# Altium PCB PCB_SAMARUC.PcbDoc (part 1 of 2) (continued)
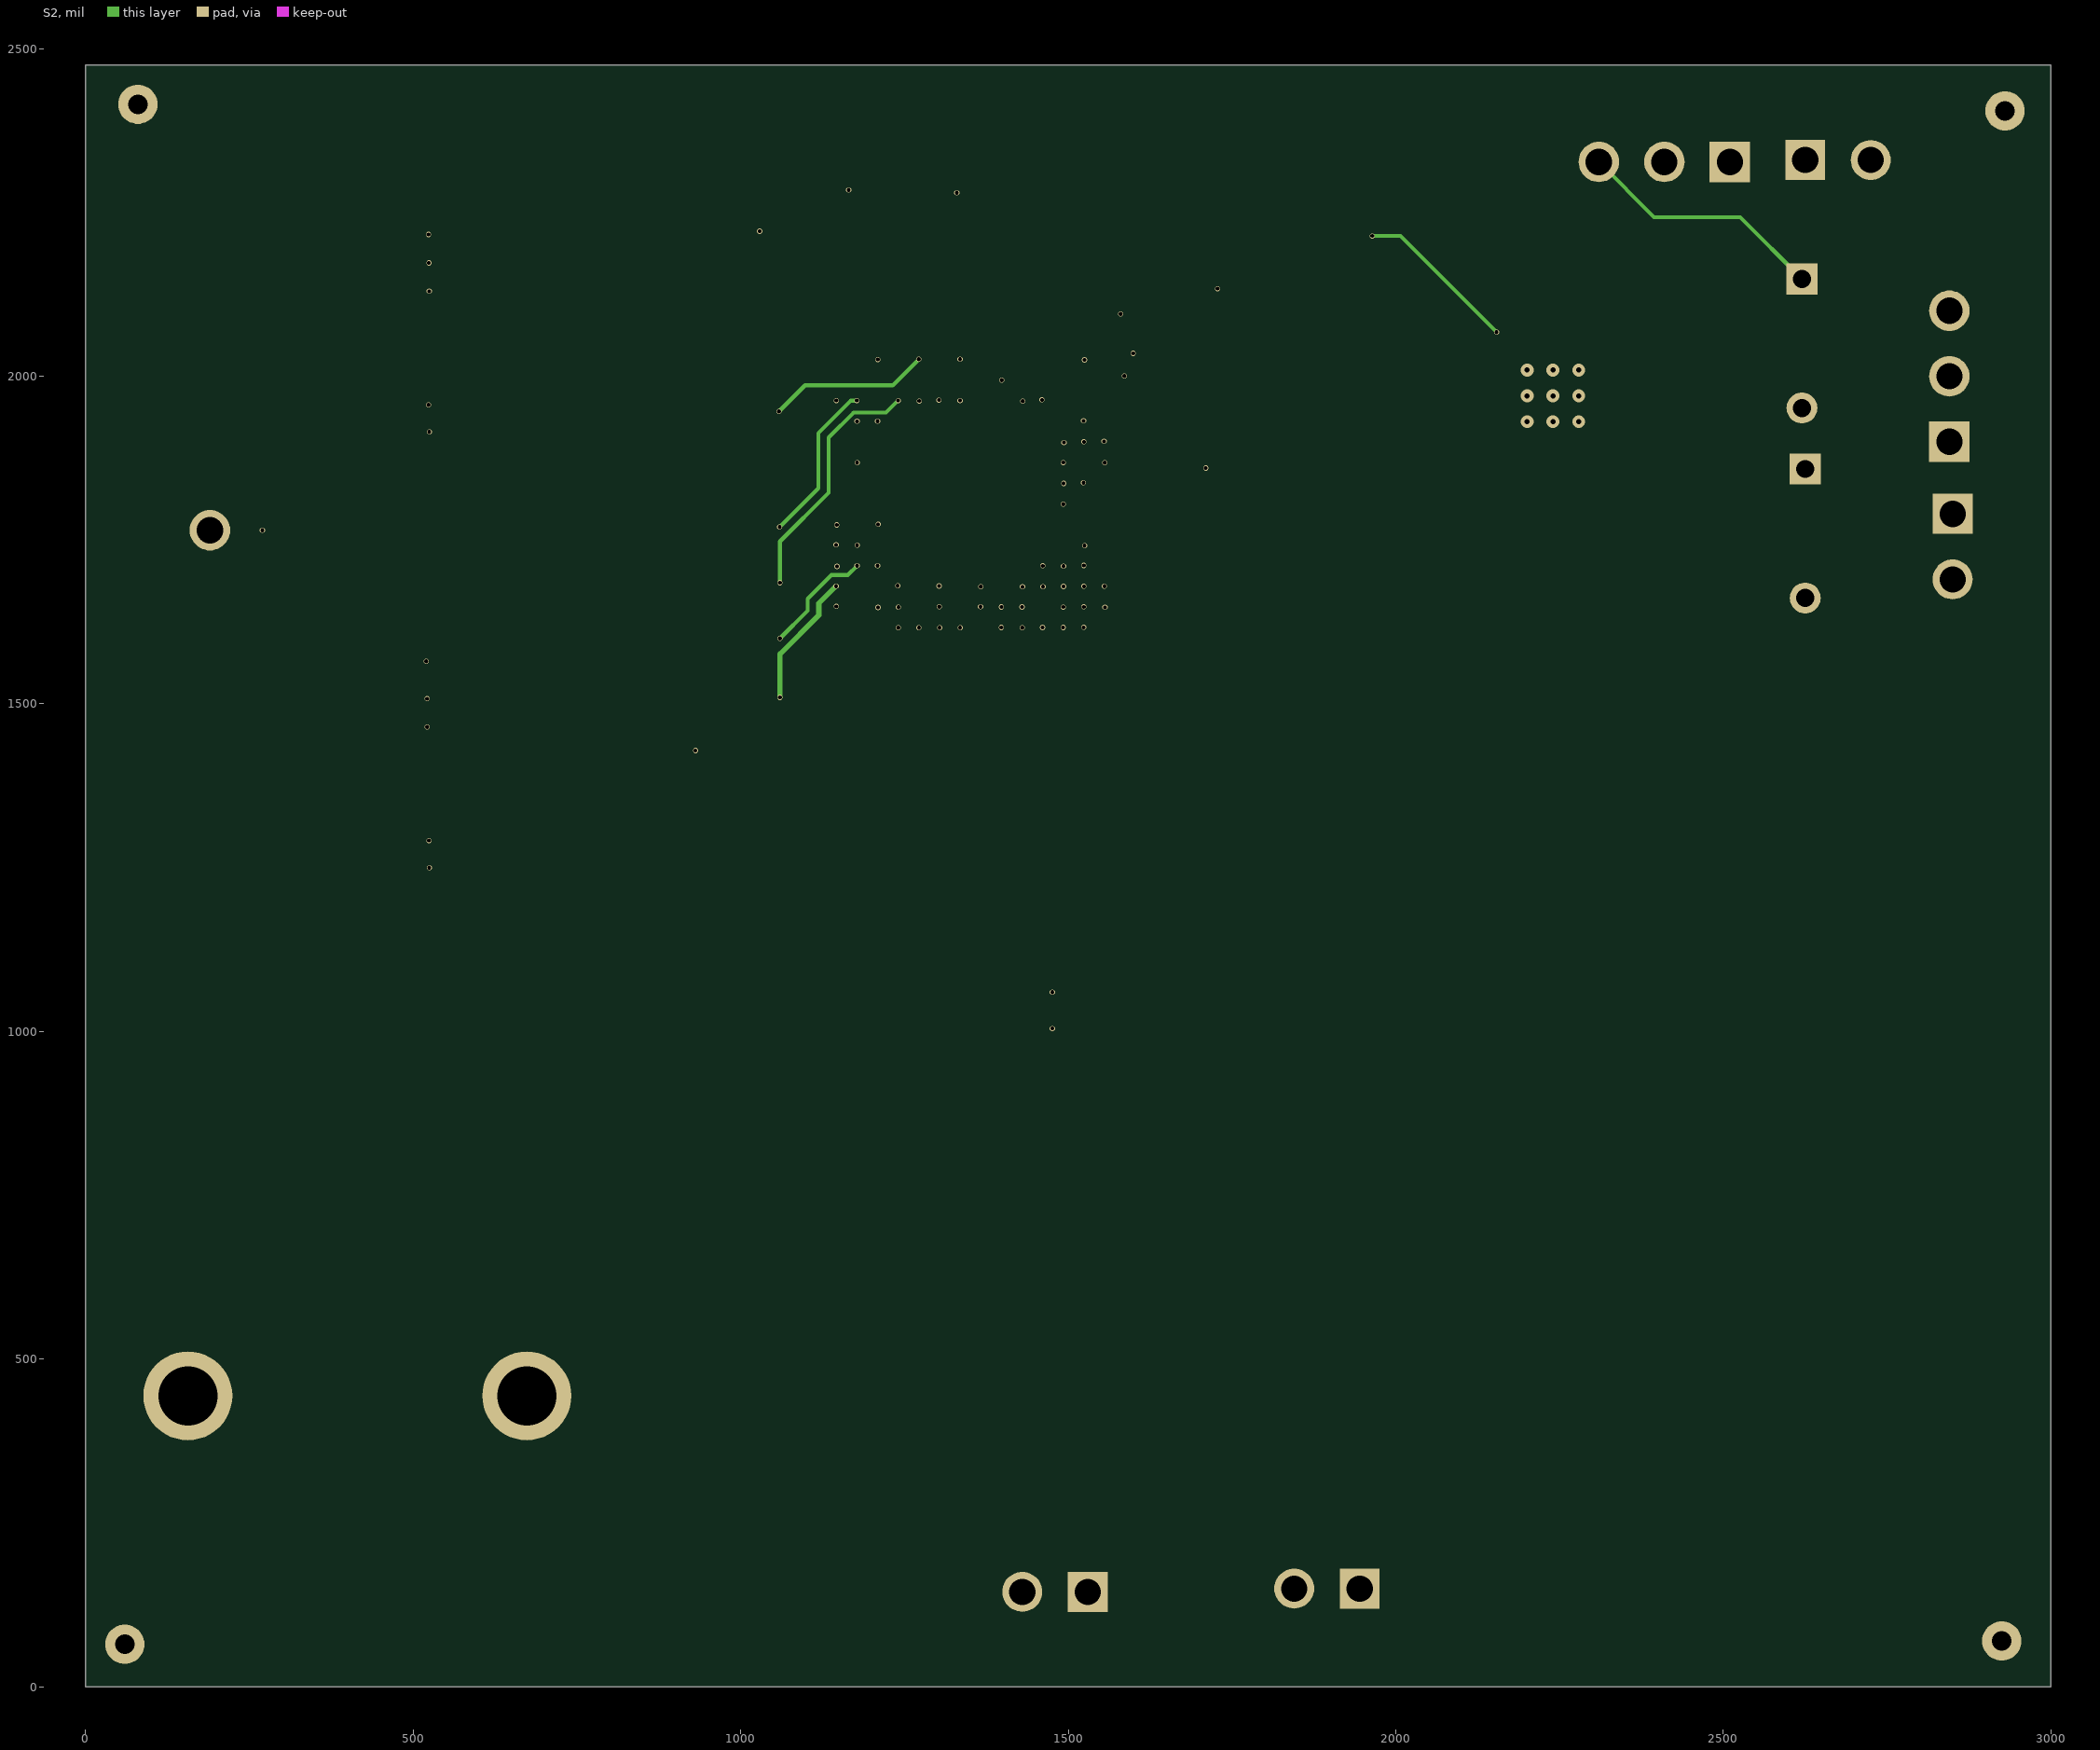
[diagram p4: S2]

## Layer stack, top to bottom
Top Solder: solder mask 0.4, SM-001, Dk 4
Top (S1): signal copper 1.4
Dielectric 1: prepreg 8, PP-006, Dk 4.1
GND1: signal copper 1.378
Dielectric 2: core 15, Core-035, Dk 4.7
PWR: signal copper 1.378
Dielectric 3: prepreg 4, PP-006, Dk 4.1
Dielectric 4: prepreg 4, PP-006, Dk 4.1
S2: signal copper 1.378
Dielectric 5: core 15, Core-035, Dk 4.7
GND2: signal copper 1.378
Dielectric 6: prepreg 8, PP-006, Dk 4.1
Bottom (S3): signal copper 1.4
Bottom Solder: solder mask 0.4, SM-001, Dk 4

## Board outline
0,0 3000,0 3000,2475 0,2475

## Design rules (kind name [scope] priority, off if disabled: settings)
Clearance Clearance_BGA_via [IsVia] p1: gap=6 ignorepadtopadclearanceinfootprint=FALSE
Clearance Clearance_BGA [InComponent('IC1')] p2: gap=6 ignorepadtopadclearanceinfootprint=FALSE
Clearance Clearance_U9 [InComponent('U9')] p3: gap=7.8 ignorepadtopadclearanceinfootprint=FALSE
Clearance Clearance_XDS100 [InComponent('U7')] p4: gap=9.8 ignorepadtopadclearanceinfootprint=FALSE
Clearance Clearance_Codec [InComponent('U1')] p5: gap=8.5 ignorepadtopadclearanceinfootprint=FALSE
Clearance Clearance_SD [InComponent('SD1_U_uSD_Card2','SD1_U_uSD_Card1')] p6: gap=9.8 ignorepadtopadclearanceinfootprint=FALSE
Clearance Clearance_1 [All] p7: gap=10 ignorepadtopadclearanceinfootprint=FALSE except(0: Arc-Hole Track-Hole SMDPad-Hole THPad-Hole Via-Hole Fill-Hole Poly-Hole Region-Hole Text-Hole)
PlaneClearance [All] p1: clearance=6
PolygonConnect [All] p1: connectstyle=Relief reliefconductorwidth=10 reliefentries=4 polygonreliefangle="90 Angle" airgapwidth=10
RoomDefinition U_dsp_power [InComponentClass('U_dsp_power')] p1: confinementstyle=ConfineIn formatcopy=TRUE lockcomponents=FALSE outline 699.02,2357.74 699.02,2459.7 859.02,2459.7 859.02,2460.98 1305.98,2460.98 1305.98,2454.65 1725.98,2454.65 1725.98,2450.98 2245.98,2450.98 2245.98,2269.02 1915.98,2269.02 1915.98,1799.02 1910.98,1799.02 1910.98,1554.02 1415.98,1554.02 1415.98,869.02 1144.02,869.02 1144.02,1229.02 704.02,1229.02 704.02,1759.02 702.68,1759.02 702.68,2357.74
RoomDefinition U_Power [InComponentClass('U_Power')] p2: confinementstyle=ConfineIn formatcopy=TRUE lockcomponents=FALSE outline 1368.03,8.08 1368.03,287.92 1409.02,287.92 1409.02,455.98 1424.02,455.98 1424.02,982.32 1604.02,982.32 1604.02,985.98 1694.02,985.98 1792.09,985.98 1792.09,1012.28 1909.02,1012.28 1909.02,1375.98 1909.02,1530.98 2095.75,1530.98 2095.75,1671.65 2343.31,1671.65 2343.31,1360.12 2655.32,1360.12 2655.32,710.2 2197.68,710.2 2197.68,502.09 2185.98,502.09 2185.98,414.02 2035.51,414.02 2035.51,13.08 1620.51,13.08 1620.51,8.08
RoomDefinition U_XDS100_V2 [InComponentClass('U_XDS100_V2')] p3: confinementstyle=ConfineIn formatcopy=TRUE lockcomponents=FALSE outline 7.99,1004.01 7.99,1165.99 119.02,1165.99 119.02,1187.32 220.98,1187.32 220.98,1175.98 404.65,1175.98 404.65,1134.94 560.94,1134.94 560.94,1110.98 745.98,1110.98 745.98,1060.98 920.98,1060.98 1070.98,1060.98 1070.98,1055.98 1150.98,1055.98 1150.98,882.44 1425.2,882.44 1425.2,817.2 1734.68,817.2 1734.68,545.98 1750.98,545.98 1750.98,444.02 1425.2,444.02 1425.2,360.47 1360.98,360.47 1360.98,189.02 1100.98,189.02 1100.98,14.34 719.02,14.34 719.02,25.38 74.43,25.38 74.43,721.65 34.01,721.65 34.01,824.02 29.02,824.02 29.02,1004.01
RoomDefinition U_clock_12MHz [InComponentClass('U_clock_12MHz')] p4: confinementstyle=ConfineIn formatcopy=TRUE lockcomponents=FALSE outline 985,1035 1170,1035 1170,1260 985,1260
RoomDefinition U_Codec [InComponentClass('U_Codec')] p5: confinementstyle=ConfineIn formatcopy=TRUE lockcomponents=FALSE outline 1914.45,1514.02 1914.45,2210.98 2096.42,2210.98 2096.42,2206.42 2235.55,2206.42 2235.55,2201.42 2355.55,2201.42 2355.55,2200.98 2525.98,2200.98 2525.98,1955.98 2525.98,1669.02 2525.98,1504.02 2344.02,1504.02 2344.02,1514.02
RoomDefinition SAMARUC [InComponentClass('SAMARUC')] p6: confinementstyle=ConfineIn formatcopy=TRUE lockcomponents=FALSE outline 119.17,1694.17 119.17,1835.83 2240.16,1835.83 2240.16,2477.8 2613.31,2477.8 2613.31,2466.92 2786.97,2466.92 2786.97,2169.84 2995.75,2169.84 2995.75,1796.69 2986.92,1796.69 2986.92,1628.03 2721.61,1628.03 2721.61,1620.08 2528.39,1620.08 2528.39,1694.17
RoomDefinition U_dsp_connection [InComponentClass('U_dsp_connection')] p7: confinementstyle=ConfineIn formatcopy=TRUE lockcomponents=FALSE outline 875.35,2069.02 875.35,2170.98 890.06,2170.98 890.06,2267.76 1020.29,2267.76 1020.29,2265.98 1225.98,2265.98 1225.98,2264.65 1305.98,2264.65 1305.98,2256.77 1393.31,2256.77 1393.31,2125.28 1623.82,2125.28 1623.82,2005.98 1680.98,2005.98 1680.98,1580.98 1910.98,1580.98 1910.98,1479.02 1630.98,1479.02 1630.98,1405.35 1455.98,1405.35 1455.98,1404.02 1365.98,1404.02 1365.98,1399.02 1140.91,1399.02 1140.91,1328.66 883.7,1328.66 883.7,1459.02 882.68,1459.02 882.68,1634.02 879.02,1634.02 879.02,2069.02
RoomDefinition U_uSD_Card1 [InComponentClass('U_uSD_Card1')] p8: confinementstyle=ConfineIn formatcopy=TRUE lockcomponents=FALSE outline 19.04,1808.72 719.04,1808.72 719.04,2463.72 19.04,2463.72
RoomDefinition U_uSD_Card2 [InComponentClass('U_uSD_Card2')] p9: confinementstyle=ConfineIn formatcopy=TRUE lockcomponents=FALSE outline 14.7,1133.72 719.7,1133.72 719.7,1803.72 14.7,1803.72
RoomDefinition U_SPI_Flash [InComponentClass('U_SPI_Flash')] p10: confinementstyle=ConfineIn formatcopy=TRUE lockcomponents=FALSE outline 1235.35,1314.02 1235.35,1415.98 1409.76,1415.98 1409.76,1437.52 1900.24,1437.52 1900.24,1285.98 2090.98,1285.98 2090.98,1184.02 1900.24,1184.02 1900.24,981.69 1409.76,981.69 1409.76,1229.02 1239.02,1229.02 1239.02,1314.02
RoutingVias [All] p1: holewidth=6 width=8 viastyle="Through Hole" minholewidth=4 minwidth=6 maxholewidth=8 maxwidth=10 viatemplateguid#1={F22638EE-940E-4C88-8216-6500FDC7E17B} viatemplateguid#2={5C56720C-61C8-4260-BDDD-21D511600613} viatemplatename#1=v50h20 viatemplatename#2=v127h71
SolderMaskExpansion [All] p1: expansion=4 istentingtop=FALSE
Width Width_BGA [InComponent('IC1')] p1: maxlimit=10 minlimit=6 preferedwidth=6 midlayer3_minwidth=10 midlayer3_prefwidth=10 midlayer4_minwidth=10 midlayer4_prefwidth=10 minimp=50.000000 maximp=50.000000 favimp=50.000000
Width Width_1 [All] p2: maxlimit=10 minlimit=6 preferedwidth=10 midlayer3_minwidth=10 midlayer4_minwidth=10 minimp=50.000000 maximp=50.000000 favimp=50.000000
29 further rules are at their usual default settings.

## Classes and differential pairs
channel class uSD_Card: U_uSD_Card1 U_uSD_Card2
component class U_XDS100_V2: C85 C86 C87 C88 C89 C90 C91 C92 C93 C94 C95 C96 C97 C98 C99 C100 C101 C102 C103 D3 D4 FB9 FB10 FB11 J4 R36 R37 R38 R39 R40 R41 R42 R43 R44 R45 R46 R47 R48 R49 R50 R51 R52 U7 U8 U9 U10
component class U_uSD_Card2: C12_U_uSD_Card2 C13_U_uSD_Card2 R11_U_uSD_Card2 R12_U_uSD_Card2 R13_U_uSD_Card2 R14_U_uSD_Card2 R15_U_uSD_Card2 R16_U_uSD_Card2 SD1_U_uSD_Card2
component class U_uSD_Card1: C12_U_uSD_Card1 C13_U_uSD_Card1 R11_U_uSD_Card1 R12_U_uSD_Card1 R13_U_uSD_Card1 R14_U_uSD_Card1 R15_U_uSD_Card1 R16_U_uSD_Card1 SD1_U_uSD_Card1
component class U_SPI_Flash: C11 R9 R10 U2
component class U_Power: C14 C15 C16 C17 C18 C19 C20 C21 C22 C23 C24 C25 C26 C27 C28 C29 D1 L1 L2 P1 P2 R17 R18 R19 R20 R21 R22 R23 R24 U3 U4 U5 U6
component class U_dsp_power: C40 C41 C42 C43 C44 C45 C46 C47 C48 C49 C50 C51 C52 C53 C54 C55 C56 C57 C58 C59 C60 C61 C62 C63 C64 C65 C66 C67 C68 C69 C70 C71 C72 C73 C74 C75 C76 C77 C78 C79 C80 C81 C82 C83 FB4 FB5 FB6 FB7 FB8
component class U_dsp_connection: C32 C33 C34 C35 C36 C37 C38 C39 D2 FB3 R25 R26 R27 R28 R29 R30 R31 R32 R33 R34 R35 Y1
component class U_Codec: C1 C2 C3 C4 C5 C6 C7 C8 C9 C10 FB1 FB2 R1 R2 R3 R4 R5 R6 R7 R8 U1
component class U_clock_12MHz: C84 Y2
component class SAMARUC: C30 C31 J1 J2 J3 P3 P4

## Components (designator, comment, footprint, x,y, rotation, side; value= is the part's Value field where it differs from the comment)
C1 "10uF" 0805_C_S 2435,2070 r180 top
C2 "0.1uF" 0805_C_S 2435,2150 r180 top
C3 "10uF" 0805_C_S 2005.43,1635 r180 top
C4 "0.1uF" 0805_C_S 2005.43,1565 r180 top
C5 "0.47uF" 0805_C_S 2435,1720 r0 top
C6 "0.47uF" 0805_C_S 2435,1905 r0 top
C7 "10uF" 0805_C_S 2005.43,1800 r180 top
C8 "0.1uF" 0805_C_S 2005.43,1715 r180 top
C9 "10uF" 0805_C_S 2435,1635 r180 top
C10 "0.1uF" 0805_C_S 2435,1555 r180 top
C11 "0.1uF" 0805_C_S 1330,1280 r180 top
C12_U_uSD_Card1 "10uF" 0805_C_S 615,2408.72 r180 top (schematic designator C12)
C12_U_uSD_Card2 "10uF" 0805_C_S 615,1635 r180 top (schematic designator C12)
C13_U_uSD_Card1 "0.1uF" 0805_C_S 615,2315 r180 top (schematic designator C13)
C13_U_uSD_Card2 "0.1uF" 0805_C_S 615,1735 r180 top (schematic designator C13)
C14 "FC0V474ZFTBR24" FP-FC0V474ZFTBR24-MFG 2415,1045 r90 top
C15 "4.7uF" 0805_C_S 1555,360 r270 top
C16 "4.7uF" 0805_C_S 2045,1435 r270 top
C17 "4.7uF" 0805_C_S 1960,1440 r270 top
C18 "4.7uF" 0805_C_S 2000,1325 r180 top
C19 "1uF" 0805_C_S 1645,365 r270 top
C20 "4.7uF" 0805_C_S 1830,360 r270 top
C21 "2200pF" 0805_C_S 1795,705 r270 top
C22 "10uF" 0805_C_S 1475,891.34 r270 top
C23 "1uF" 0805_C_S 1655,895 r270 top
C24 "4.7uF" 0805_C_S 1565,891.34 r270 top
C25 "1uF" 0805_C_S 1740,360 r270 top
C26 "4.7uF" 0805_C_S 1925,365 r270 top
C27 "2200pF" 0805_C_S 1960,530 r270 top
C28 "10uF" 0805_C_S 1460,365 r270 top
C29 "4.7uF" 0805_C_S 1775,535 r90 top
C30 "RCER71H106MWK1H03B" FP-RCEWM1-MFG 2625,1760 r270 top
C31 "RCER71H106MWK1H03B" FP-RCEWM1-MFG 2620,2050 r270 top
C32 "10uF" 0805_C_S 1220,1495 r270 top
C33 "0.1uF" 0805_C_S 1315,1490 r270 top
C34 "1000pF" 0805_C_S 1405,1495 r270 top
C35 "33pF" 0805_C_S 1175,2175 r90 top
C36 "33pF" 0805_C_S 1255,2173.66 r270 top
C37 "0.1uF" 0805_C_S 1820,1530 r0 top
C38 "0.1uF" 0805_C_S 1580,1496.34 r270 top
C39 "10uF" 0805_C_S 1490,1500 r270 top
C40 "10uF" 0805_C_S 795,1440 r0 top
C41 "0.1uF" 0805_C_S 795,1280 r0 top
C42 "1000pF" 0805_C_S 795,1360 r0 top
C43 "0.1uF" 0805_C_S 1085,2370 r270 top
C44 "10uF" 0805_C_S 1255,2370 r270 top
C45 "0.1uF" 0805_C_S 995,2370 r270 top
C46 "1000pF" 0805_C_S 910,2370 r270 top
C47 "0.1uF" 0805_C_S 793.66,2180 r0 top
C48 "0.1uF" 0805_C_S 793.66,2100 r0 top
C49 "0.1uF" 0805_C_S 793.66,2030 r0 top
C50 "1uF" 0805_C_S 798.66,1735 r0 top
C51 "0.01uF" 0805_C_S 800,1585 r0 top
C52 "1uF" 0805_C_S 795,1510 r0 top
C53 "0.01uF" 0805_C_S 793.66,1885 r0 top
C54 "1uF" 0805_C_S 798.66,1660 r0 top
C55 "10uF" 0805_C_S 1825,2360 r90 top
C56 "0.1uF" 0805_C_S 2020,2360 r90 top
C57 "1000pF" 0805_C_S 1910,2358.66 r90 top
C58 "10uF" 0805_C_S 1675,2363.66 r90 top
C59 "0.1uF" 0805_C_S 1495,2360 r90 top
C60 "1000pF" 0805_C_S 1585,2360 r90 top
C61 "0.1uF" 0805_C_S 793.66,1810 r0 top
C62 "0.1uF" 0805_C_S 793.66,1960 r0 top
C63 "0.1uF" 0805_C_S 1825,1850 r0 top
C64 "0.1uF" 0805_C_S 790,2408.72 r0 top
C65 "0.1uF" 0805_C_S 793.66,2330 r0 top
C66 "0.01uF" 0805_C_S 793.66,2255 r0 top
C67 "1uF" 0805_C_S 1820,1940 r0 top
C68 "0.01uF" 0805_C_S 1823.66,2025 r0 top
C69 "1uF" 0805_C_S 1825,2115 r0 top
C70 "0.01uF" 0805_C_S 1823.66,2205 r0 top
C71 "0.1uF" 0805_C_S 1365,960 r270 top
C72 "0.1uF" 0805_C_S 1280,961.34 r270 top
C73 "0.1uF" 0805_C_S 1195,960 r270 top
C74 "10uF" 0805_C_S 1820,1605 r0 top
C75 "0.1uF" 0805_C_S 1500,2170 r90 top
C76 "0.1uF" 0805_C_S 1818.66,1765 r0 top
C77 "0.1uF" 0805_C_S 1820,1685 r0 top
C78 "0.1uF" 0805_C_S 1420,2170 r90 top
C79 "0.1uF" 0805_C_S 2195,2360 r90 top
C80 "0.1uF" 0805_C_S 2110,2360 r90 top
C81 "1uF" 0805_C_S 1675,2175 r270 top
C82 "0.1uF" 0805_C_S 1165,2370 r270 top
C83 "0.1uF" 0805_C_S 1580,2180 r270 top
C84 "0.1uF" 0805_C_S 1078.66,1090 r180 top
C85 "100uF" 0805_C_S 1220,280 r90 top
C86 "10uF" 0805_C_S 170,1096.34 r90 top
C87 "100uF" 0805_C_S 656.34,870 r180 top
C88 "10uF" 0805_C_S 656.34,785 r180 top
C89 "1uF" 0805_C_S 1135,280 r90 top
C90 "10uF" 0805_C_S 655,700 r180 top
C91 "100uF" 0805_C_S 1310,280 r90 top
C92 "100uF" 0805_C_S 1050,105.33 r270 top
C93 "100uF" 0805_C_S 960,105.33 r270 top
C94 "100uF" 0805_C_S 865,105.33 r270 top
C95 "10nF" 0805_C_S 770,105.33 r270 top
C96 "100uF" 0805_C_S 770,280 r90 top
C97 "100uF" 0805_C_S 865,280 r90 top
C98 "100uF" 0805_C_S 960,280 r90 top
C99 "10nF" 0805_C_S 1050,280 r90 top
C100 "4.7uF" 0805_C_S 785,445 r270 top
C101 "100nF" 0805_C_S 1100,965 r90 top
C102 "4.7uF" 0805_C_S 120,875 r180 top
C103 "100nF" 0805_C_S 125,965 r180 top
D1 "MBR0520LT1G" FP-425-04-IPC_C 1685,235 r0 top
D2 "LTST-C150AKT" FP-LTST-C150AKT-MFG 1000,1380 r180 top
D3 "MBR0520LT1G" FP-425-04-IPC_C 445,753.86 r90 top
D4 "LTST-C150AKT" FP-LTST-C150AKT-MFG 365,790 r270 top
FB1 "BLM21AG151SN1D" FP-BLM21-0_2-t0_85-e0_5-MFG 2170.43,2160 r0 top
FB2 "BLM21AG151SN1D" FP-BLM21-0_2-t0_85-e0_5-MFG 2290.43,2155 r0 top
FB3 "BLM21AG151SN1D" FP-BLM21-0_2-t0_85-e0_5-MFG 955.17,2221.34 r0 top
FB4 "BLM21AG151SN1D" FP-BLM21-0_2-t0_85-e0_5-MFG 1710,1925 r270 top
FB5 "BLM21AG151SN1D" FP-BLM21-0_2-t0_85-e0_5-MFG 1360,2400 r180 top
FB6 "BLM21AG151SN1D" FP-BLM21-0_2-t0_85-e0_5-MFG 1365.43,2325 r0 top
FB7 "BLM21AG151SN1D" FP-BLM21-0_2-t0_85-e0_5-MFG 1660,2035 r180 top
FB8 "BLM21AG151SN1D" FP-BLM21-0_2-t0_85-e0_5-MFG 940,1285 r180 top
FB9 "BLM21PG221SN1D" FP-BLM21-0_2-t0_85-e0_5-IPC_B 66.34,1085 r270 top
FB10 "BLM21PG221SN1D" FP-BLM21-0_2-t0_85-e0_5-IPC_B 865,447.51 r270 top
FB11 "BLM21PG221SN1D" FP-BLM21-0_2-t0_85-e0_5-IPC_B 115,780 r180 top
IC1 "TMS320C5535AZHH10" BGA144C80P14X14_1200X1200X140 1335.28,1836.73 r0 top
J1 "5004" FP-5004-MFG 190,1765 r90 top
J2 "22-11-2032" FP-22-11-2032-MFG 2410,2330 r180 top
J3 "22-11-2032" FP-22-11-2032-MFG 2847.95,2000 r90 top